# Altium PCB wikiduino-micro-bk7251.PcbDoc (part 1 of 2)
Units mm, origin at the board's own origin, x right, y up, seen from the top; angles counter-clockwise.
Board outline 221.69 x 138.99 mm, 2 copper layers (Top Layer, Bottom Layer); 153 components, 122 nets, 594 pads, 744 vias.
Unrouted connection lines stored in the file: 527.
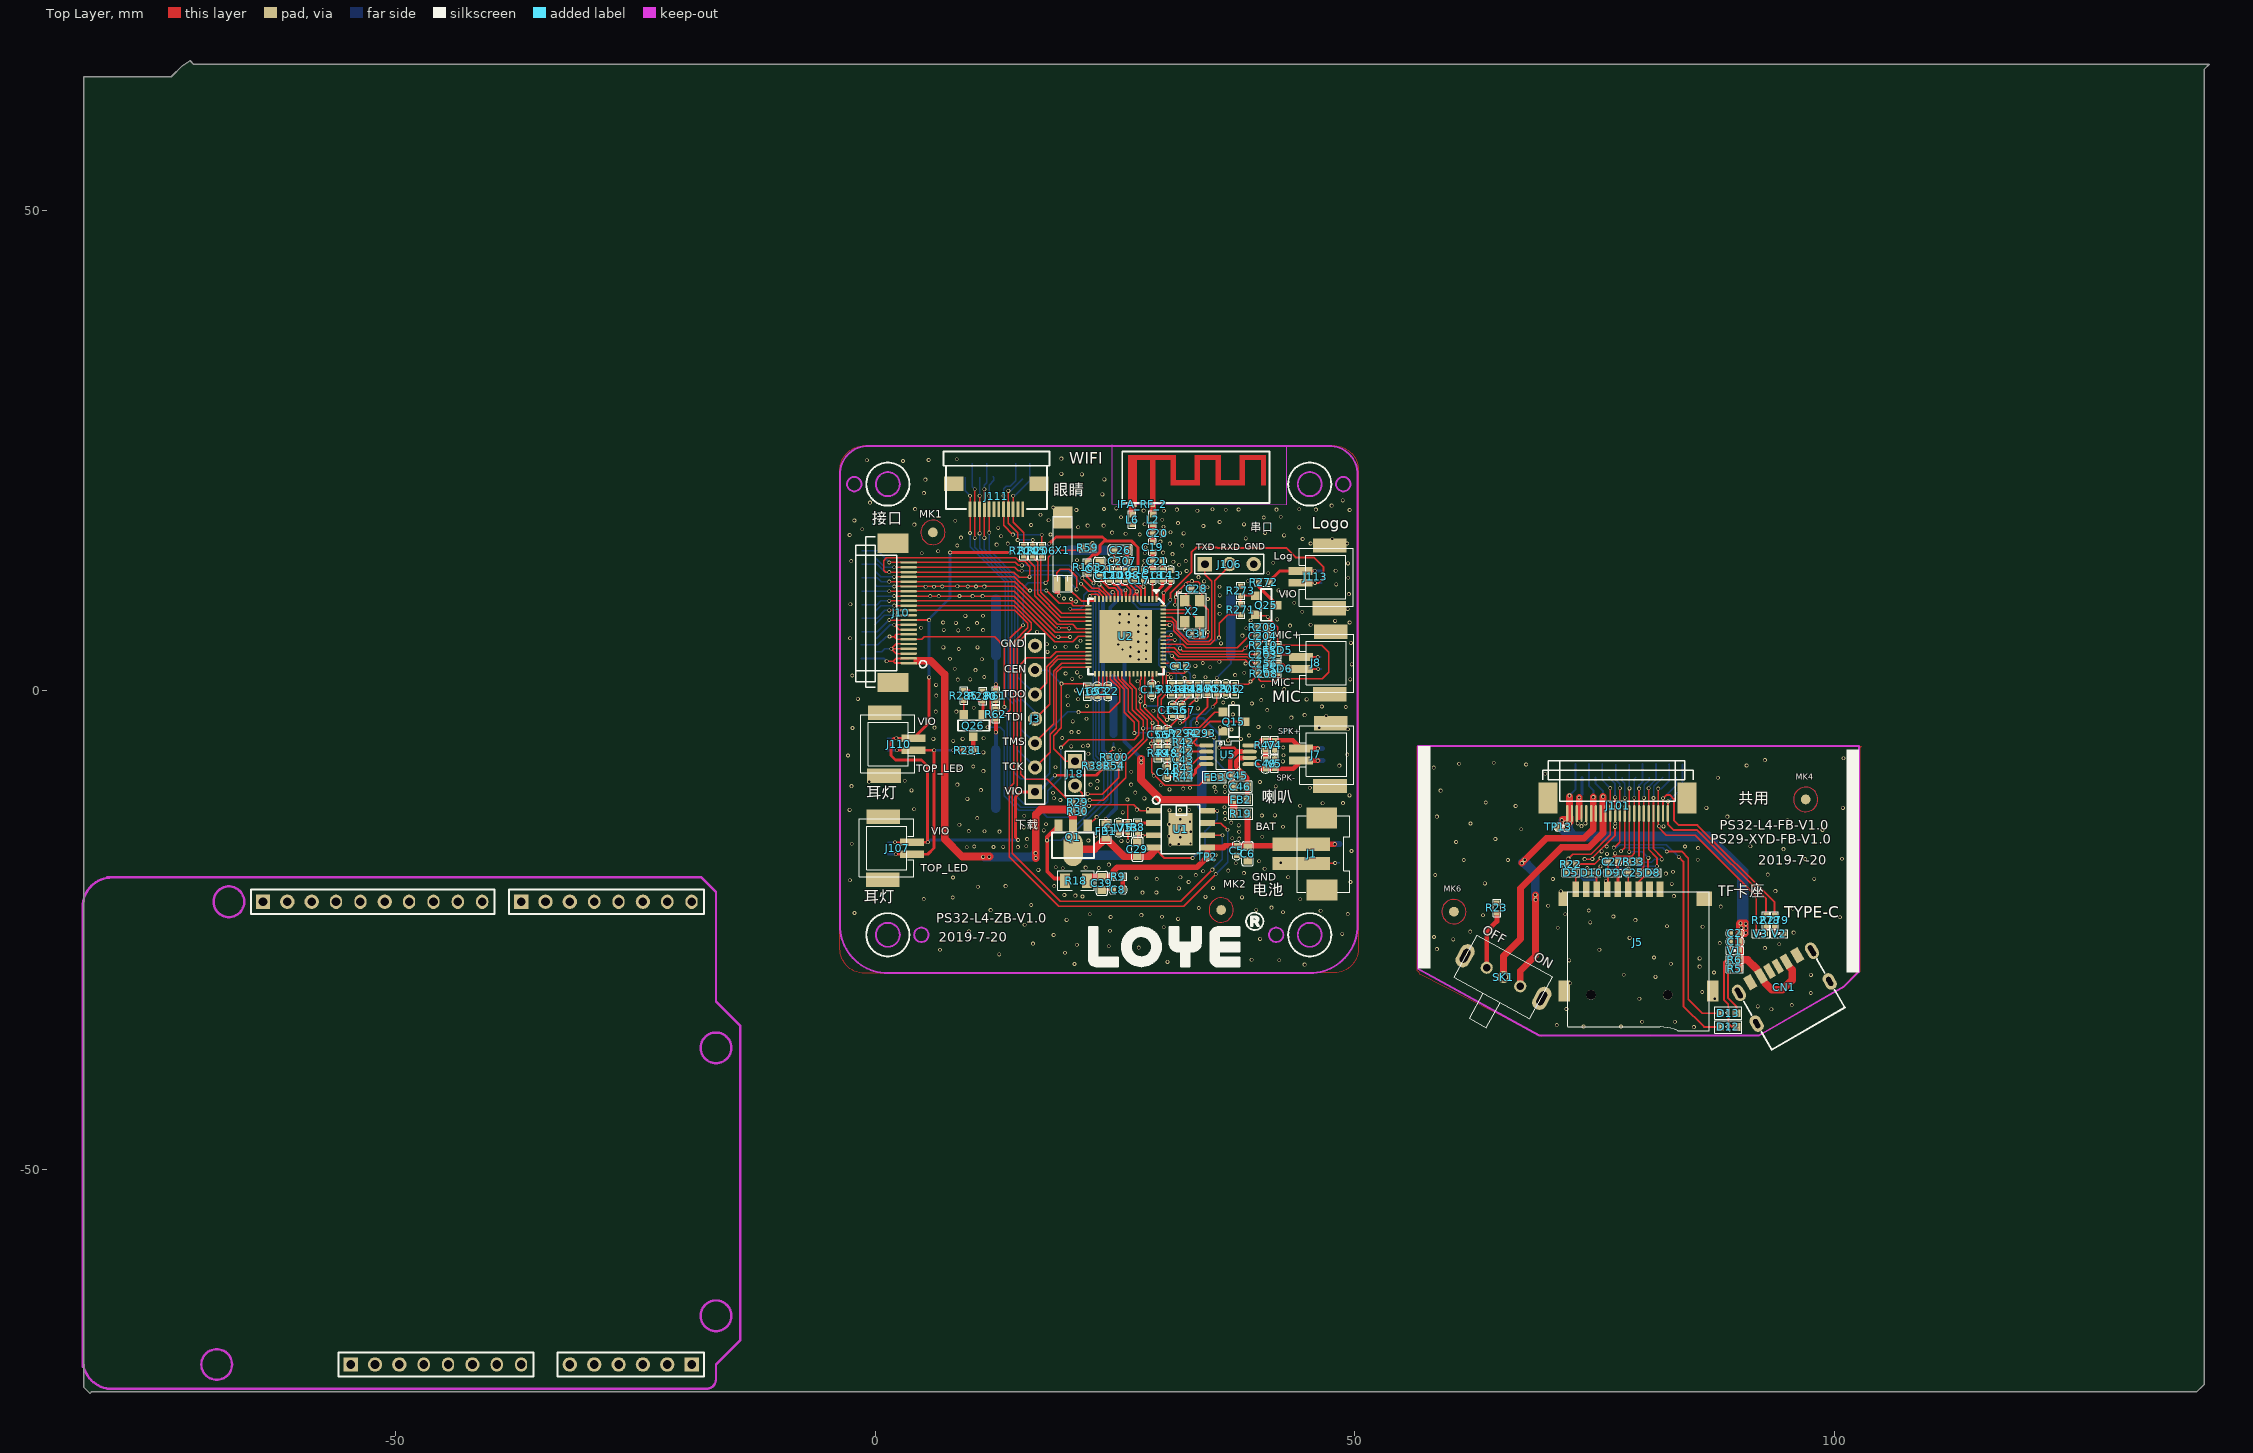
[diagram p0: Top Layer view]
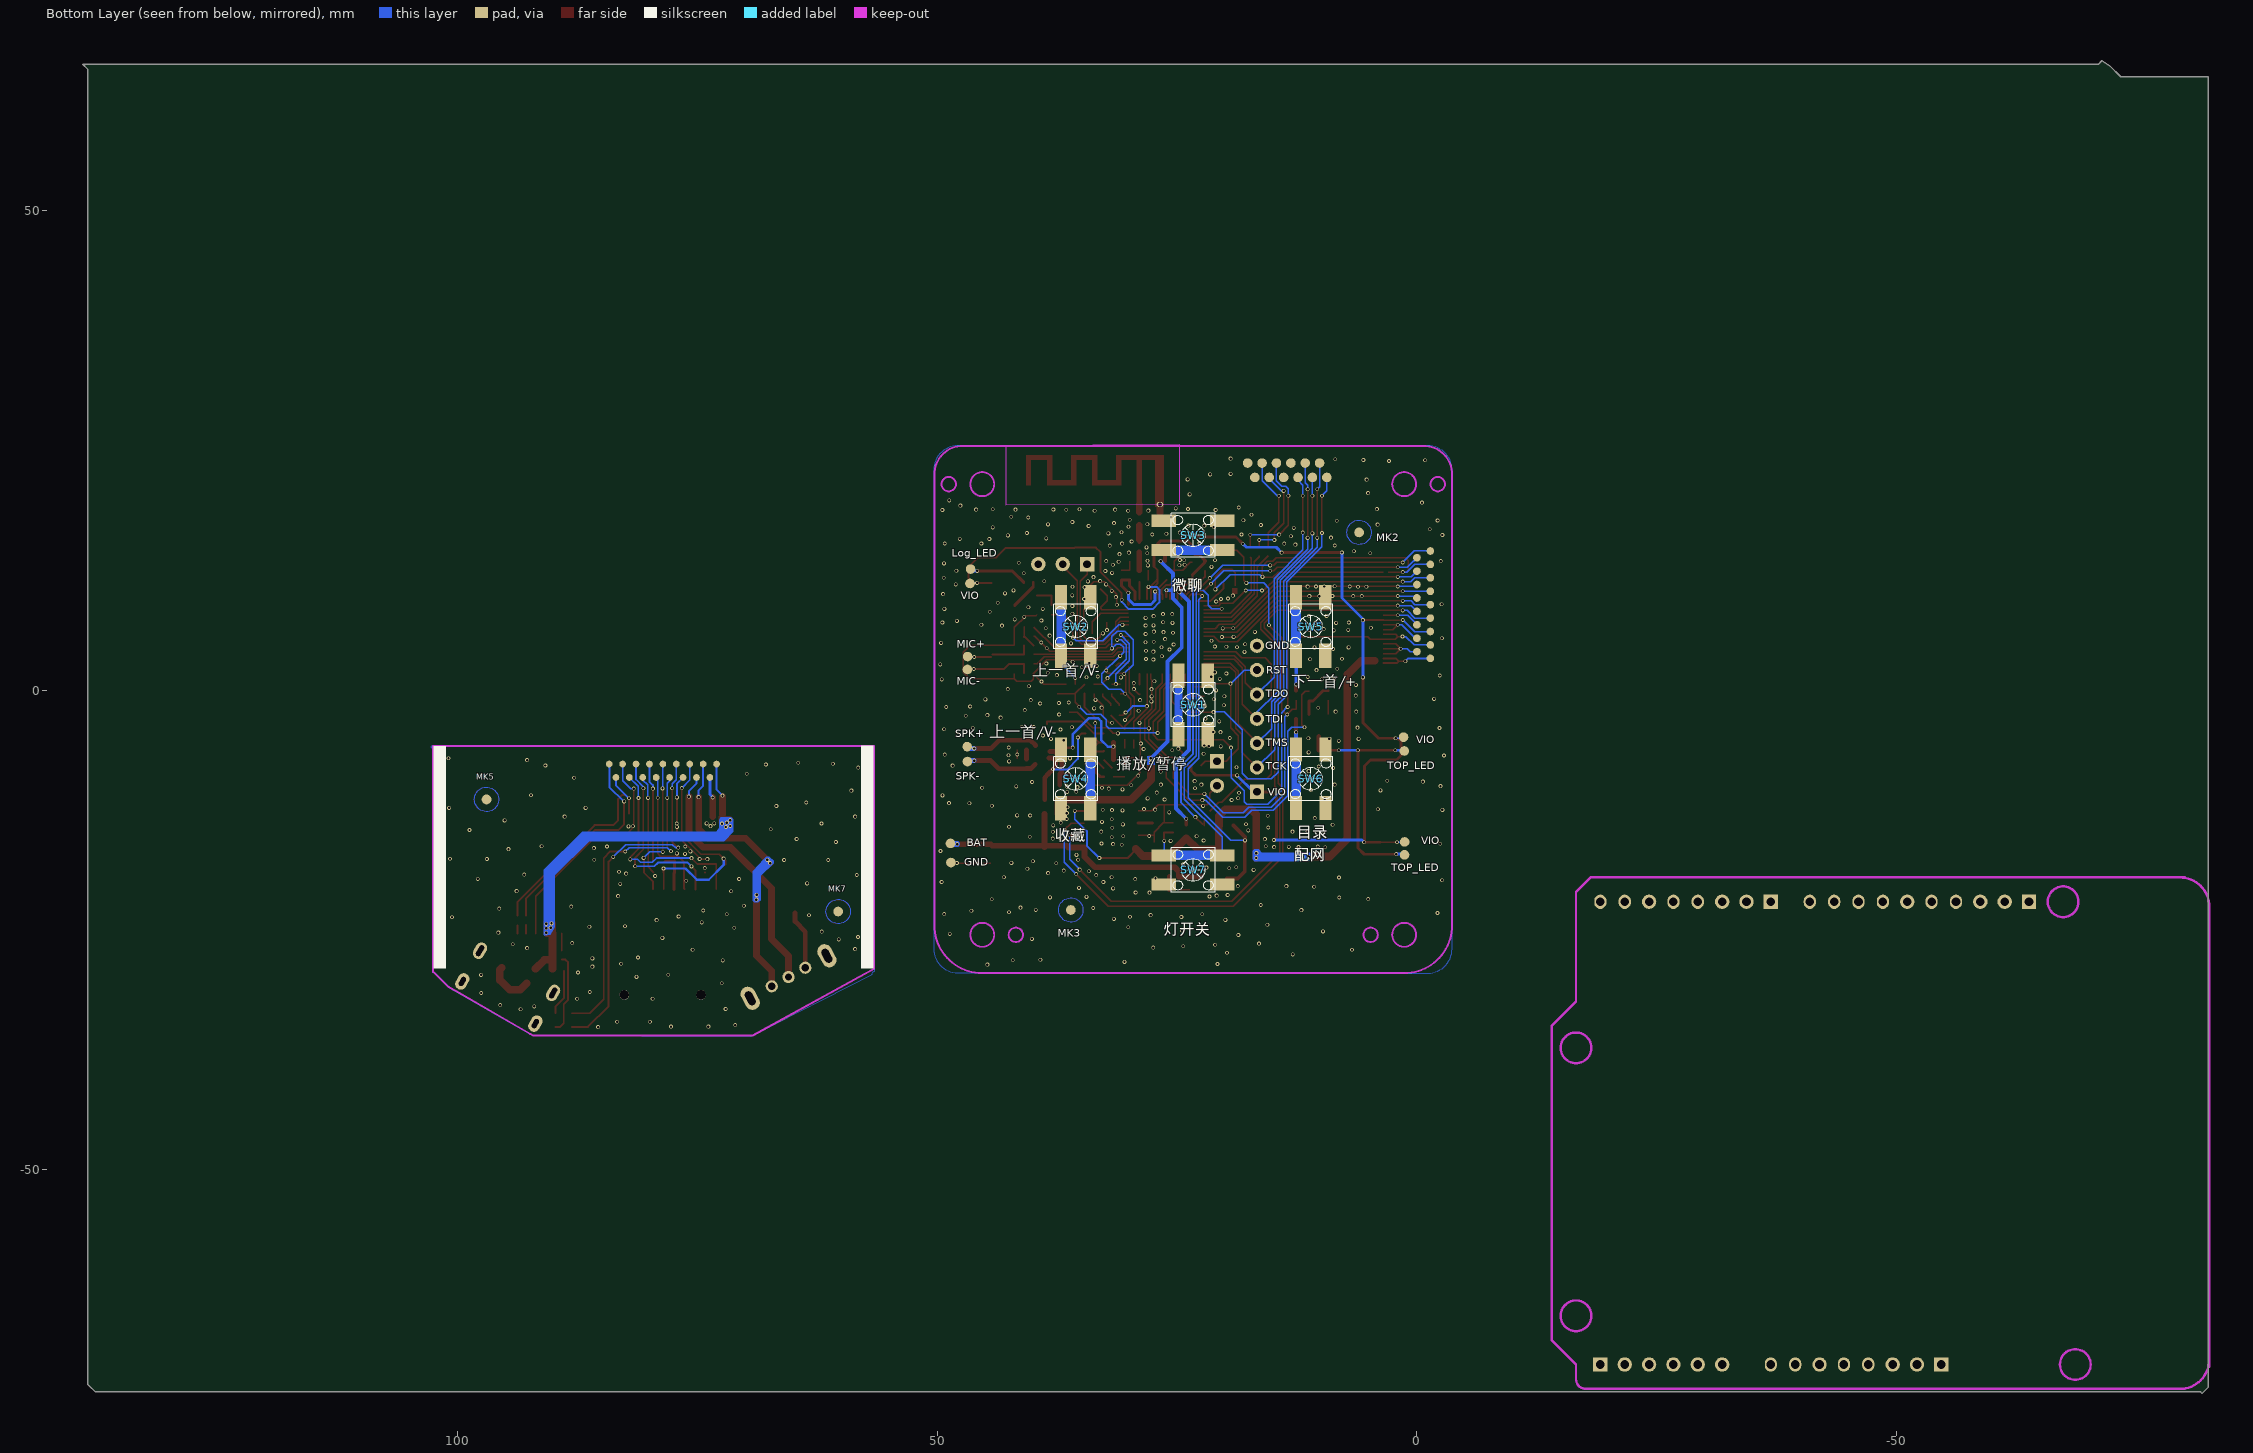
[diagram p1: Bottom Layer view, seen from below]

## Layer stack, top to bottom
Top Solder: solder mask 0.0102, Solder Resist, Dk 3.5
Top Layer: signal copper 0.0356
Dielectric1: core 0.32, FR-4, Dk 4.8
Bottom Layer: signal copper 0.0356
Bottom Solder: solder mask 0.0102, Solder Resist, Dk 3.5

## Board outline
-71.454,65.655 -71.098,65.3 82.013,65.3 139.112,65.3 138.604,64.792 138.604,-55.046 138.604,-72.368 138.452,-72.521 137.791,-73.181 -67.441,-73.181 -81.766,-73.181 -81.919,-73.334 -82.579,-72.673 -82.579,63.979 -73.435,63.979 -72.267,65.147

## Design rules (kind name [scope] priority, off if disabled: settings)
Clearance Clearance_4 [InNet('NetIFA_RF_2_2') vs InNet('GND')] p1: gap=0.17
Clearance Clearance_3 [InNet('NetC18_1') vs InNet('GND')] p2: gap=0.17
Clearance Clearance_2 [InNet('NetC19_1') vs InNet('GND')] p3: gap=0.17
Clearance Clearance_1 [InNet('NetC88_1') vs InNet('GND')] p4: gap=0.17
Clearance [All] p5: gap=0.17
FabricationTestPointUsage TestPointUsage [All] p1: valid=0 allowmultiple=FALSE
FabricationTestpoint Testpoint [All] p1: side=3 testpointundercomponent=TRUE minsize=1.016 maxsize=2.54 preferedsize=1.524 minholesize=0 maxholesize=1.016 preferedholesize=0.813 testpointgrid=0.025 allowsidetop=TRUE allowsidebottom=TRUE usegrid=TRUE gridtolerance=0
FlightTimeFalling [All] p1: maximum=1.000n
FlightTimeRising [All] p1: maximum=1.000n
HoleToHoleClearance [All] p1: gap=0 allowstackedmicrovias=TRUE
Length [All] p1: maxlimit=2540 minlimit=0
MatchedLengths [All] p1: tolerance=25.4 checknetsindiffpair=TRUE checkdiffpairvsdiffpair=TRUE checkothers=TRUE
MaxMinImpedance [All] p1: minimum=1.000 maximum=10.00
MinimumSolderMaskSliver [All] p1: minsoldermaskwidth=0
ParallelSegment [All] p1: limit=254 gap=0.254
PolygonConnect [All] p1: connectstyle=Direct reliefconductorwidth=0.254 reliefentries=4 polygonreliefangle="90 Angle" airgapwidth=0.254
RoutingVias "'Default' PADS rule_11" [All] p1: holewidth=0.2 width=0.4 viastyle="Through Hole" minholewidth=0.2 minwidth=0.4 maxholewidth=7 maxwidth=12
SMDToCorner "'Default' PADS rule_16" [All] p1: distance=59055
SMDToPlane "'Default' PADS rule_17" [All] p1: distance=59055
SilkToSilkClearance [All] p1: silktosilkclearance=0
SilkToSolderMaskClearance SilkscreenOverComponentPads [IsPad] p1: minsilkscreentomaskgap=0 clearancetoexposedcopper=TRUE
SolderMaskExpansion [All] p1: expansion=0.102
Width [All] p1: maxlimit=5 minlimit=0.1 preferedwidth=0.254 minimp=50.000000 maximp=50.000000 favimp=50.000000
23 further rules are at their usual default settings.

## Classes and differential pairs
component class 06__KEY: BAT C175 C206 R54 R58 R59 R60 R61 R62 R163 R300 SW1 SW2 SW3 SW4 SW5 SW6 SW7 V12 V13
component class 04__LED: J16 J107 J110 J111 J113 Q25 Q26 R204 R205 R206 R271 R272 R273 R280 R281 R285 TP98 TP99 TP120 TP121 U3
component class 05__BK7251: C12 C13 C14 C15 C16 C17 C18 C19 C20 C21 C22 C26 C28 C31 C42 C43 C44 C45 C46 C49 C53 C56 C57 C108 C109 C120 C121 C156 C157 C203 C204 C207 C256 ESD5 ESD6 FB1 FB2 FB3 IFA_RF_2 J3 J7 J8 J18 J106 L2 L6 MK1 MK2 MK3 MK4 MK5 MK6 MK7 MK8 Q15 R42 R43 R44 R47 R48 R49 R146 R147 R148 R149 R208 R209 R210 R293 R294 R382 SPK SPK+ SPK- TP11 TP12 TP91 TP92 U2 U5 V4 V5 V16 X1 X2
component class "07_Power & TF": C1 C2 C25 C27 CN1 D5 D8 D9 D10 D12 D13 J5 J101 R5 R6 R22 R23 R33 R278 R279 SK1 TP13 TP108 V1 V2 V3
component class 03__POWER&INTERFACE: C5 C6 C8 C29 C39 J1 J10 Q1 R8 R9 R18 R19 R29 R30 TP2 TP3 U1

## Components (designator, comment, footprint, x,y, rotation, side; value= is the part's Value field where it differs from the comment)
C1 "4.7uF ±20％ X5R 10V" C0402 89.649,-26.224 r180 top
C2 "NC/100nF ±20% X5R 25V" C0402 89.649,-25.324 r180 top
C5 "100nF ±20% X5R 25V" C0402 37.68,-16.72 r90 top
C6 "10uF ±20％ X5R 10V" C0603 38.82,-17.06 r90 top
C8 "NC" C0402 25.31,-20.8 r180 top
C12 "1uF" C0402 31.87,2.53 r180 top
C13 "1uF" C0402 30.79,12.01 r90 top
C14 "1uF" C0402 29.927,12.01 r90 top
C15 "NC" C0402 28.84,0.08 r90 top
C16 "1uF" C0402 27.51,12.52 r0 top
C17 "1uF" C0402 27.51,11.49 r0 top
C18 "2.7pF ±5% NPO 50V" C0402 28.918,11.994 r270 top
C19 "1.2pF ±5% NPO 50V" C0402 28.92,14.93 r270 top
C20 "NC" C0402 29.42,16.4 r0 top
C21 "NC" C0402 29.42,13.46 r0 top
C22 "2.2uF" C0402 24.27,-0.11 r90 top
C25 "4.7uF±20% Y5V 6.3V" C0402 79.046,-19.031 r180 top
C26 "10uF" C0603 25.56,14.58 r180 top
C27 "NC" C0402 76.913,-17.866 r180 top
C28 "9pF ±5% NPO 50V" C0402 33.52,10.6 r180 top
C29 "NC/10uF ±20％ X5R 10V" C0603 27.33,-16.58 r270 top
C31 "9pF ±5% NPO 50V" C0402 33.51,5.89 r0 top
C39 "NC/10uF ±20％ X5R 10V" C0603 23.63,-20.13 r90 top
C42 "470nF ±20% X5R 25V" C0402 32.123,-6.329 r180 top
C43 "470nF ±20% X5R 25V" C0402 32.12,-7.22 r180 top
C44 "470nF ±10% X5R 10V" C0402 30.43,-8.53 r90 top
C45 "100nF ±20% X5R 25V" C0402 37.73,-8.89 r0 top
C46 "10uF ±20％ X5R 10V" C0603 38.08,-10.04 r0 top
C49 "1nF ±20% X7R 50V" C0402 40.692,-7.675 r270 top
C53 "100nF ±20% X5R 25V" C0402 23.14,-0.11 r90 top
C56 "1uF ±10% X5R 10V" C0402 29.49,-4.64 r90 top
C57 "NC/1uF ±10% X5R 10V" C0402 30.443,-4.619 r90 top
C108 "1uF" C0402 26.105,12.02 r90 top
C109 "2.2uF" C0402 25.26,12.02 r90 top
C120 "1uF" C0402 24.41,12.02 r90 top
C121 "10uF" C0603 23.39,12.63 r90 top
C156 "1uF ±10% X5R 10V" C0402 30.99,-2.1 r270 top
C157 "1uF ±10% X5R 10V" C0402 31.92,-2.09 r270 top
C175 "10nF ±20% X5R 25V" C0402 25.38,-14.33 r270 top
C203 "1uF ±10% X5R 10V" C0402 40.44,3.72 r180 top
C204 "1uF ±10% X5R 10V" C0402 40.42,5.64 r0 top
C206 "10nF ±20% X5R 25V" C0402 36.55,0.15 r270 top
C207 "100nF" C0402 25.77,13.46 r180 top
C256 "1uF ±10% X5R 10V" C0402 40.45,2.75 r180 top
CN1 "TYPE-C" TYPE-C 94.795,-30.962 r30 top
D5 "NC/ESD9B5V-2/TR" ESD0402 72.544,-19.031 r180 top
D8 "NC/ESD9B5V-2/TR" ESD0402 81.078,-19.031 r0 top
D9 "NC/ESD9B5V-2/TR" ESD0402 76.918,-19.042 r180 top
D10 "NC/ESD9B5V-2/TR" ESD0402 74.728,-19.031 r180 top
D12 "Red/LED" LED0603 88.945,-35.112 r180 top
D13 "Green/LED" LED0603 88.945,-33.682 r180 top
ESD5 "NC/ESD9B5V-2/TR" ESD0402 41.95,4.2 r90 top
ESD6 "NC/ESD9B5V-2/TR" ESD0402 41.95,2.25 r270 top
FB1 "NC/0R" L0603 24.01,-14.68 r90 top
FB2 "0R" L0603 38.09,-11.41 r0 top
FB3 "0R±5%" L0603 35.37,-9.05 r180 top
IFA_RF_2 "ANT-WIFI-2.4G" IFA_RF_1 28.87,19.38 r0 top
J1 "PH2.0-2PTB" PH2.0-2PTB 45.5,-17.06 r90 top
J3 "PIN7" SIP100-7P 16.65,-2.97 r90 top
J5 "MIcro USB" TF_CARD-AUTO-NO 82.634,-31.759 r0 top
J7 "1.25-2PTB" SIP2-1.25MM-WA 43.913,-6.077 r270 top
J8 "1.25T-2PTB" SIP2-1.25MM-WA 43.903,3.475 r270 top
J10 "FPC0.5-22P" CON05-22P-R 2.66,8.08 r90 top locked
J18 "PIN2" SIP100-2P 20.82,-8.68 r270 top
J101 "FPC0.5-22P" CON05-22P-R 77.399,-12.031 r0 top locked
J106 "PIN3" SIP100-3P 36.91,13.16 r0 top
J107 "1.25-2PTB" SIP2-1.25MM-WA 4.34,-17.1 r90 top
J110 "1.25-2PTB" SIP2-1.25MM-WA 4.47,-6.25 r90 top
J111 "FPC12P-0.5mm" FPC12P_05_H20 12.62,18.89 r0 top locked
J113 "1.25-2PTB" SIP2-1.25MM-WA 43.84,12.45 r270 top
L2 "0R±5%" L0402 28.92,17.8 r90 top
L6 "0R±5%" L0402 26.77,17.8 r90 top
MK1 "MARK" MKD#1 6.001,16.469 r90 top
MK2 "" MKD#2 6.001,16.469 r270 bottom
MK2 "MARK" MKD#1 36.068,-22.912 r180 top
MK3 "MARK" MKD#2 36.068,-22.912 r0 bottom
MK4 "MARK" MKD#1 97.03,-11.379 r0 top
MK5 "MARK" MKD#2 97,-11.379 r180 bottom
MK6 "MARK" MKD#1 60.34,-23.089 r0 top
MK7 "MARK" MKD#2 60.33,-23.069 r180 bottom
Q1 "NC/BCX51" SOT-89-3L 20.62,-15.35 r90 top
Q15 "NC/MMBT3904" SOT-23 37.41,-3.26 r270 top
Q25 "MMBT3904" SOT-23 40.77,8.87 r270 top
Q26 "MMBT3904" SOT-23 10.22,-3.69 r180 top
R5 "240R±5%" R0402 89.625,-29.032 r0 top
R6 "240R±5%" R0402 89.625,-28.092 r0 top
R8 "1K±1%" R0402 27.37,-14.29 r90 top
R9 "NC" R0402 25.31,-19.42 r0 top
R18 "NC/0.4R±5%" L0805 20.93,-19.86 r180 top
R19 "0R±5%" R0603 38.09,-12.87 r0 top
R22 "10K±5%" R0402 72.544,-18.167 r0 top
R23 "1K±5%" R0402 64.83,-22.699 r90 top
R29 "100K±5%" R0402 21.1,-11.67 r0 top
R30 "47K±5%" R0402 21.1,-12.64 r0 top
R33 "33R±5%" R0402 79.08,-17.869 r180 top
R42 "100K±1%" R0402 32.123,-5.429 r180 top
R43 "47K±1%" R0402 32.14,-8.12 r0 top
R44 "47K±1%" R0402 32.14,-9.02 r0 top
R47 "1.5R±1%" R0402 40.682,-5.707 r270 top
R48 "NC/59K±1%" R0402 30.443,-6.55 r270 top
R49 "0R±1%" R0402 29.49,-6.55 r270 top
R54 "10K±1%" R0402 24.91,-7.88 r0 top
R58 "680R±1%" R0402 35.6,0.14 r90 top
R59 "1.5K±1%" R0402 22.14,14.87 r0 top
R60 "2.4K±1%" R0402 34.62,0.15 r270 top
R61 "3.4K±1%" R0402 12.578,-0.552 r90 top
R62 "4.64K±1%" R0402 12.572,-2.477 r270 top
R146 "1K±1%" R0402 30.91,0.13 r90 top
R147 "1K±1%" R0402 33.62,0.14 r90 top
R148 "10K±1%" R0402 32.71,0.13 r90 top
R149 "10K±1%" R0402 31.81,0.13 r90 top
R163 "10K±1%" R0402 22.09,12.83 r270 top
R204 "33R±5%" R0402 15.47,14.54 r90 top
R205 "33R±5%" R0402 16.42,14.54 r90 top
R206 "33R±5%" R0402 17.35,14.54 r90 top
R208 "1.2K±1%" R0402 40.5,1.75 r0 top
R209 "1.2K±1%" R0402 40.42,6.6 r180 top
R210 "1.2K±1%" R0402 40.43,4.69 r180 top
R271 "1K±5%" R0402 38.1,8.4 r270 top
R272 "33R±5%" R0402 40.48,11.26 r180 top
R273 "10K±5%" R0402 38.1,10.37 r90 top
R278 "NC/0R±5%" R0402 92.894,-23.984 r270 top
R279 "NC/0R±5%" R0402 93.784,-23.984 r270 top
R280 "1K±5%" R0402 11.22,-0.6 r90 top
R281 "100R±5%" R0402 9.71,-6.25 r0 top
R285 "10K±5%" R0402 9.24,-0.55 r270 top
R293 "NC/4.7K±5%" R0402 34.05,-4.49 r180 top
R294 "33R±5%" R0402 32.13,-4.49 r180 top
R300 "0R±1%" R0402 24.9,-6.97 r180 top
R382 "10K±5%" R0402 23.02,-7.87 r180 top
SK1 "SK12D07VG4" SK12D07VG3 65.505,-29.902 r331 top
SW1 "4.5*4.5*5" SW-4.5X4.5-SMT1 23.306,-1.518 r90 bottom
SW2 "4.5*4.5*5" SW-4.5X4.5-SMT1 35.558,6.652 r90 bottom locked
SW3 "4.5*4.5*5" SW-4.5X4.5-SMT1 23.308,16.152 r0 bottom locked
SW4 "4.5*4.5*5" SW-4.5X4.5-SMT1 35.558,-9.238 r270 bottom
SW5 "4.5*4.5*5" SW-4.5X4.5-SMT1 11.058,6.652 r90 bottom
SW6 "4.5*4.5*5" SW-4.5X4.5-SMT1 11.043,-9.227 r90 bottom
SW7 "4.5*4.5*5" SW-4.5X4.5-SMT1 23.308,-18.738 r180 bottom locked
TP2 "TP25RD" TPC#1 34.63,-17.37 r90 top
TP13 "TP25RD" TPC#2 71.223,-14.256 r90 top
U1 "AP5056" SOP8_PAD 31.84,-14.48 r270 top
U2 "BK7251_0" QFN68_8*8 26.12,5.62 r270 top
U5 "FT2011M" MSOP-8 34.528,-5.754 r270 top
V1 "NC/ESD9B5V-2/TR" ESD0402 89.649,-27.149 r180 top
V2 "NC/ESD9B5V-2/TR" ESD0402 94.264,-25.384 r0 top
V3 "NC/ESD9B5V-2/TR" ESD0402 92.364,-25.384 r180 top
V4 "NC/ESD9B5V-2/TR" ESD0402 41.632,-5.717 r270 top
V5 "NC/ESD9B5V-2/TR" ESD0402 41.632,-7.644 r90 top
V12 "NC/ESD9B5V-2/TR" ESD0402 37.48,0.13 r90 top
V13 "NC/ESD9B5V-2/TR" ESD0402 26.33,-14.33 r90 top
V16 "NC/ESD9B5V-2/TR" ESD0402 22.13,-0.13 r270 top
X1 "NC/32.768KHz" CRY2_6R90X1R40X1R30 19.54,13.83 r90 top
X2 "Crystal 26MHz 20pF 10ppm  -30 to +85" SMD_3225 33.04,8.25 r270 top

## Footprints (in the part's own frame and the unit in brackets; to place one, negate y for a bottom-side part, rotate by r counter-clockwise, add the part's x,y. Pads: shape width x height; smd on the part's side, far side on the other; paste and mask are expansions set on the pad)
C0402 [mm]
  rect 0.575x0.575 smd: 1(-0.5,0) 2(0.5,0)
  Top Layer pour cut-out: -0.2,0.4 0.2,0.4 0.2,-0.4 -0.2,-0.4 -0.2,0.4
  silkscreen extent -0.96,-0.4 0.96,0.4
C0603 [mil]
  rect 31.5x35.4 smd: 1(-27.56,0) 2(27.56,0)
  Top Layer pour cut-out: -10,20 -10,-20 10,-20 10,20
  silkscreen extent -49,-24 49,24
CON05-22P-R [mm]
  oval 0.25x1.75 smd: 1(-5.25,-0.813) 2(-4.75,-0.813) 3(-4.25,-0.813) 4(-3.75,-0.813) 5(-3.25,-0.813) 6(-2.75,-0.813) 7(-2.25,-0.813) 8(-1.75,-0.813) 9(-1.25,-0.813) 10(-0.75,-0.813) 11(-0.25,-0.813) 12(0.25,-0.813) 13(0.75,-0.813) 14(1.25,-0.813) 15(1.75,-0.813) 16(2.25,-0.813) 17(2.75,-0.813) 18(3.25,-0.813) 19(3.75,-0.813) 20(4.25,-0.813) 21(4.75,-0.813) 22(5.25,-0.813)
  rect 2x3.25 smd: 25(7.25,0.813) 26(-7.25,0.813)
  silkscreen extent -7.79,-2.69 7.92,4.69
CRY2_6R90X1R40X1R30 [mm]
  rect 1.524x0.7 smd: 1(-2.7,0.6) 2(-2.7,-0.6)
  rect 2.286x2 smd: 3(4.2,0)
  Top Layer pour cut-out: -3.558,1.054 3.059,1.054 3.059,-1.132 -3.558,-1.132
  silkscreen extent -3.55,-1 4.3,1
ESD0402 [mm]
  rect 0.5x0.5 smd: 1(-0.5,0) 2(0.5,0)
  Top Layer pour cut-out: -0.127,-0.254 -0.127,0.254 0.127,0.254 0.127,-0.254
  silkscreen extent -0.9,-0.4 0.9,0.4
FPC12P_05_H20 [mm]
  rect 0.3x1.6 smd: 1(-2.75,0) 2(-2.25,0) 3(-1.75,0) 4(-1.25,0) 5(-0.75,0) 6(-0.25,0) 7(0.25,0) 8(0.75,0) 9(1.25,0) 10(1.75,0) 11(2.25,0) 12(2.75,0)
  rect 2x1.5 smd: 13(-4.45,2.65) 14(4.45,2.65)
  silkscreen extent -5.52,0 5.52,6
IFA_RF_1 [mm]
  rect 0.9x0.5 / inner rect 0.9x0.5 / far side oval 0.7x0.5 hole 0.4: 1(-2.1,0)
  rect 0.5x0.5 smd: 2(0.05,0)
  Top Layer region: -1.599,-0.25 -1.599,5.15 -2.498,5.15 -2.498,-0.25
  Top Layer region: 0.301,0.092 0.301,4.9 -0.2,4.9 -0.2,0.092
  Top Layer region: 2.4,5.15 -2.1,5.15 -2.1,4.651 2.4,4.651
  Top Layer region: 4.95,2.01 4.95,2.51 1.95,2.51 1.95,2.01
  Top Layer region: 4.95,2.01 4.95,5.15 4.449,5.15 4.449,2.01
  Top Layer region: 2.45,2.01 2.45,5.15 1.95,5.15 1.95,2.01
  Top Layer region: 7.15,4.65 7.15,5.15 4.449,5.15 4.449,4.65
  Top Layer region: 9.65,2.01 9.65,2.51 6.949,2.51 6.949,2.01
  Top Layer region: 11.85,2.01 11.85,5.15 11.35,5.15 11.35,2.01
  Top Layer region: 9.65,2.01 9.65,5.15 9.15,5.15 9.15,2.01
  Top Layer region: 7.15,2.01 7.15,5.15 6.65,5.15 6.65,2.01
  Top Layer region: 11.85,4.651 11.85,5.15 9.15,5.15 9.15,4.651
  Keep-Out Layer pour cut-out: 14,6.12 14,-0.004 -4.166,0 -4.166,6.203
  silkscreen extent -3.12,0.18 12.23,5.53
L0402 [mm]
  rect 0.575x0.575 smd: 1(-0.5,0) 2(0.5,0)
  silkscreen extent -0.9,-0.4 0.9,0.4
L0603 [mil]
  rect 31.5x35.4 smd: 1(-27.56,0) 2(27.56,0)
  Top Layer pour cut-out: -12.6,22.44 14.17,22.44 14.17,-23.23 -12.6,-23.23
  silkscreen extent -49,-24 49,24
L0805 [mil]
  rect 40x60 smd: 1(-45,0) 2(45,0)
  silkscreen extent -75,-40 75,40
LED0603 [mil]
  rect 32x32 smd: 1(-34.19,0.06) 2(34.19,-0.06)
  silkscreen extent -55,-26 56,25
MKD#1 [mil]
  round 40 smd: ""(0,-0.06)
  round 80 on Top Solder: ""(0,-0.06)
  Top Layer circle w3.94: c0,-0.06 r50
MKD#2 [mil]
  round 40 smd: ""(0,-0.06)
  round 80 on Bottom Solder: ""(0,-0.06)
  Top Layer circle w3.94: c0,-0.06 r50
MSOP-8 [mm]
  oval 0.409x1.501 smd: 1(0,0) 2(0.65,-0.016) 3(1.3,-0.016) 4(1.95,-0.016) 5(1.95,4.5) 6(1.3,4.5) 7(0.65,4.5) 8(0,4.5)
  silkscreen extent -0.5,1 2.5,3.5
PH2.0-2PTB [mm]
  rect 2.2x3.2 smd: 0(-3.75,-1.077) 0(3.75,-1.067)
  rect 1.4x6 smd: 1(1,1.077) 2(-1,1.077)
  silkscreen extent -4,-3.97 4,1.53
QFN68_8*8 [mm]
  rect 0.6x0.2 smd: 1(-3.9,3.2) 2(-3.9,2.8) 3(-3.9,2.4) 4(-3.9,2) 5(-3.9,1.6) 6(-3.9,1.2) 7(-3.9,0.8) 8(-3.9,0.4) 9(-3.9,0) 10(-3.9,-0.4) 11(-3.9,-0.8) 12(-3.9,-1.2) 13(-3.9,-1.6) 14(-3.9,-2) 15(-3.9,-2.4) 16(-3.9,-2.8) 17(-3.9,-3.2) 35(3.9,-3.2) 36(3.9,-2.8) 37(3.9,-2.4) 38(3.9,-2) 39(3.9,-1.6) 40(3.9,-1.2) 41(3.9,-0.8) 42(3.9,-0.4) 43(3.9,0) 44(3.9,0.4) 45(3.9,0.8) 46(3.9,1.2) 47(3.9,1.6) 48(3.9,2) 49(3.9,2.4) 50(3.9,2.8) 51(3.9,3.2)
  rect 0.2x0.6 smd: 18(-3.2,-3.9) 19(-2.8,-3.9) 20(-2.4,-3.9) 21(-2,-3.9) 22(-1.6,-3.9) 23(-1.2,-3.9) 24(-0.8,-3.9) 25(-0.4,-3.9) 26(0,-3.9) 27(0.4,-3.9) 28(0.8,-3.9) 29(1.2,-3.9) 30(1.6,-3.9) 31(2,-3.9) 32(2.4,-3.9) 33(2.8,-3.9) 34(3.2,-3.9) 52(3.2,3.9) 53(2.8,3.9) 54(2.4,3.9) 55(2,3.9) 56(1.6,3.9) 57(1.2,3.9) 58(0.8,3.9) 59(0.4,3.9) 60(0,3.9) 61(-0.4,3.9) 62(-0.8,3.9) 63(-1.2,3.9) 64(-1.6,3.9) 65(-2,3.9) 66(-2.4,3.9) 67(-2.8,3.9) 68(-3.2,3.9)
  rect 5.5x5.5 smd: 69(0,0)
  Top Layer pour cut-out: -3.55,3.55 3.55,3.55 3.55,-3.55 -3.55,-3.55 -3.55,3.55
  silkscreen extent -4.83,-3.94 3.94,3.94
R0402 [mm]
  rect 0.575x0.575 smd: 1(-0.5,0) 2(0.5,0)
  silkscreen extent -0.9,-0.4 0.9,0.4
R0603 [mil]
  rect 31.5x35.4 smd: 1(-27.56,0) 2(27.56,0)
  Top Layer pour cut-out: -12.6,22.44 14.17,22.44 14.17,-23.23 -12.6,-23.23 -12.6,22.44